# Altium PCB 电源厂控制板.PcbDoc
Units mil, origin at the board's own origin, x right, y up, seen from the top; angles counter-clockwise.
Board outline 3905 x 2570 mil, 2 copper layers (Top Layer, Bottom Layer); 74 components, 83 nets, 324 pads, 305 vias.
Unrouted connection lines stored in the file: 1.
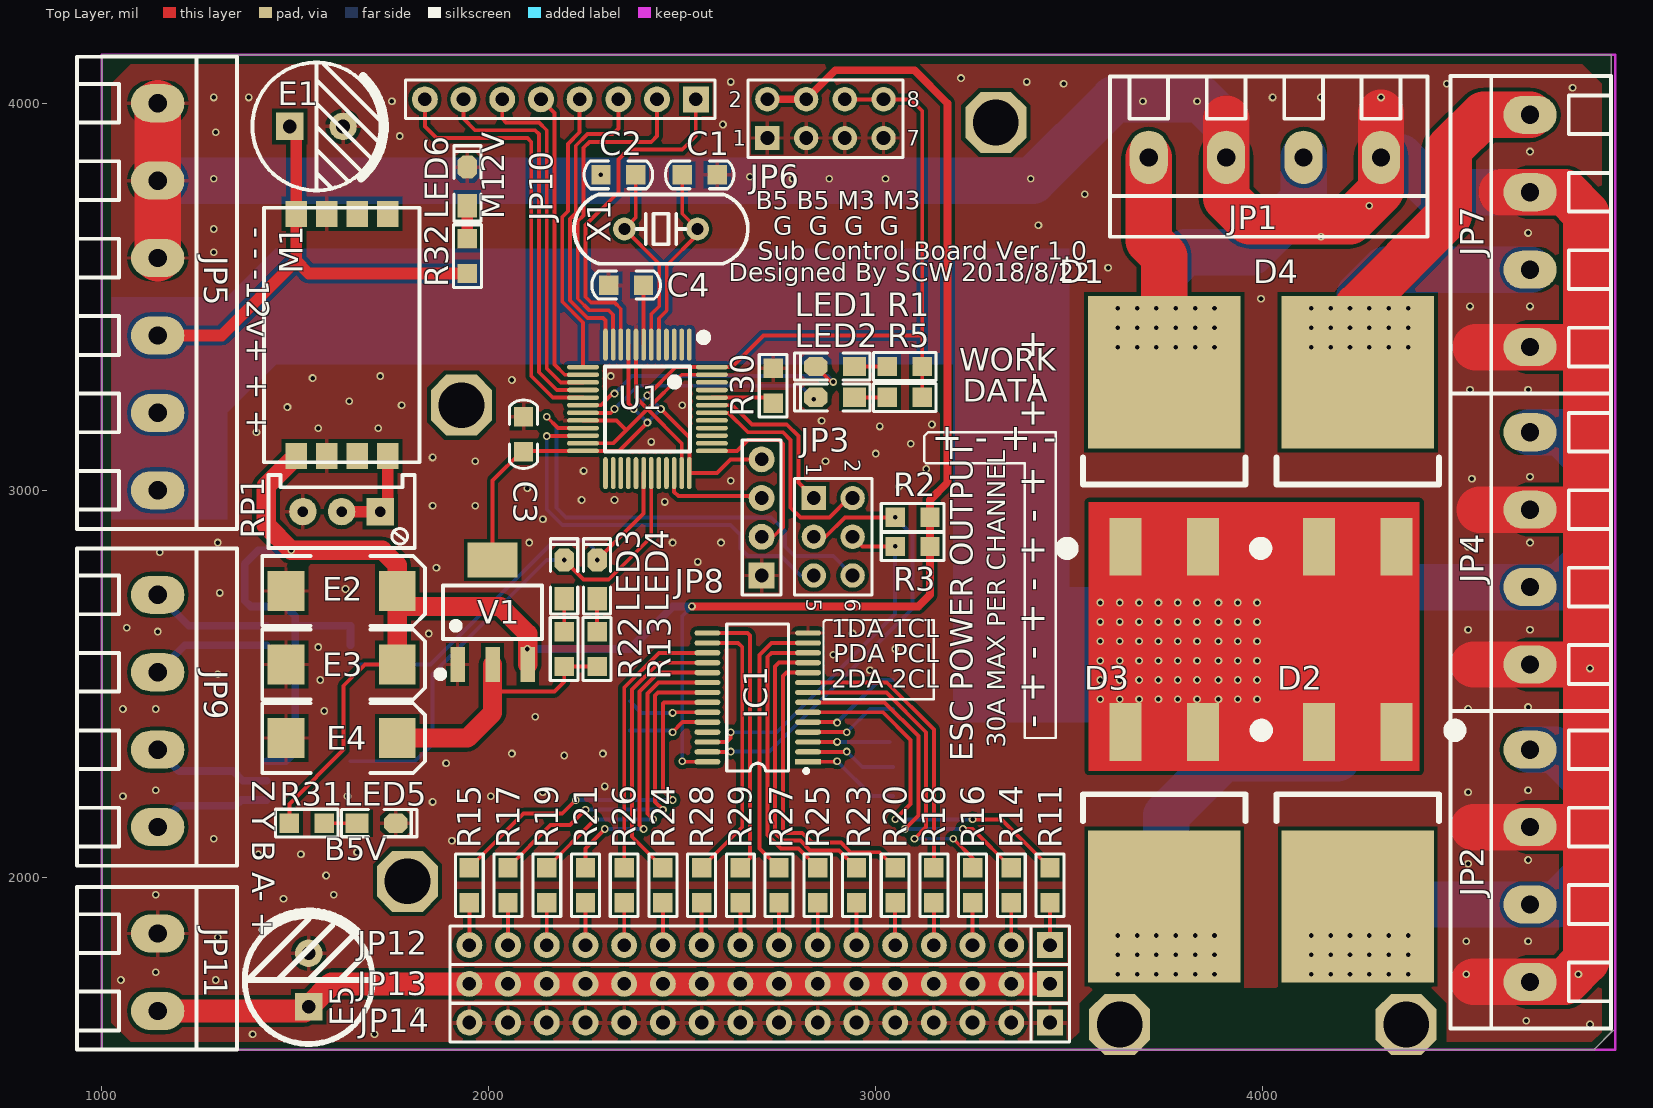
[diagram p0: Top Layer view]
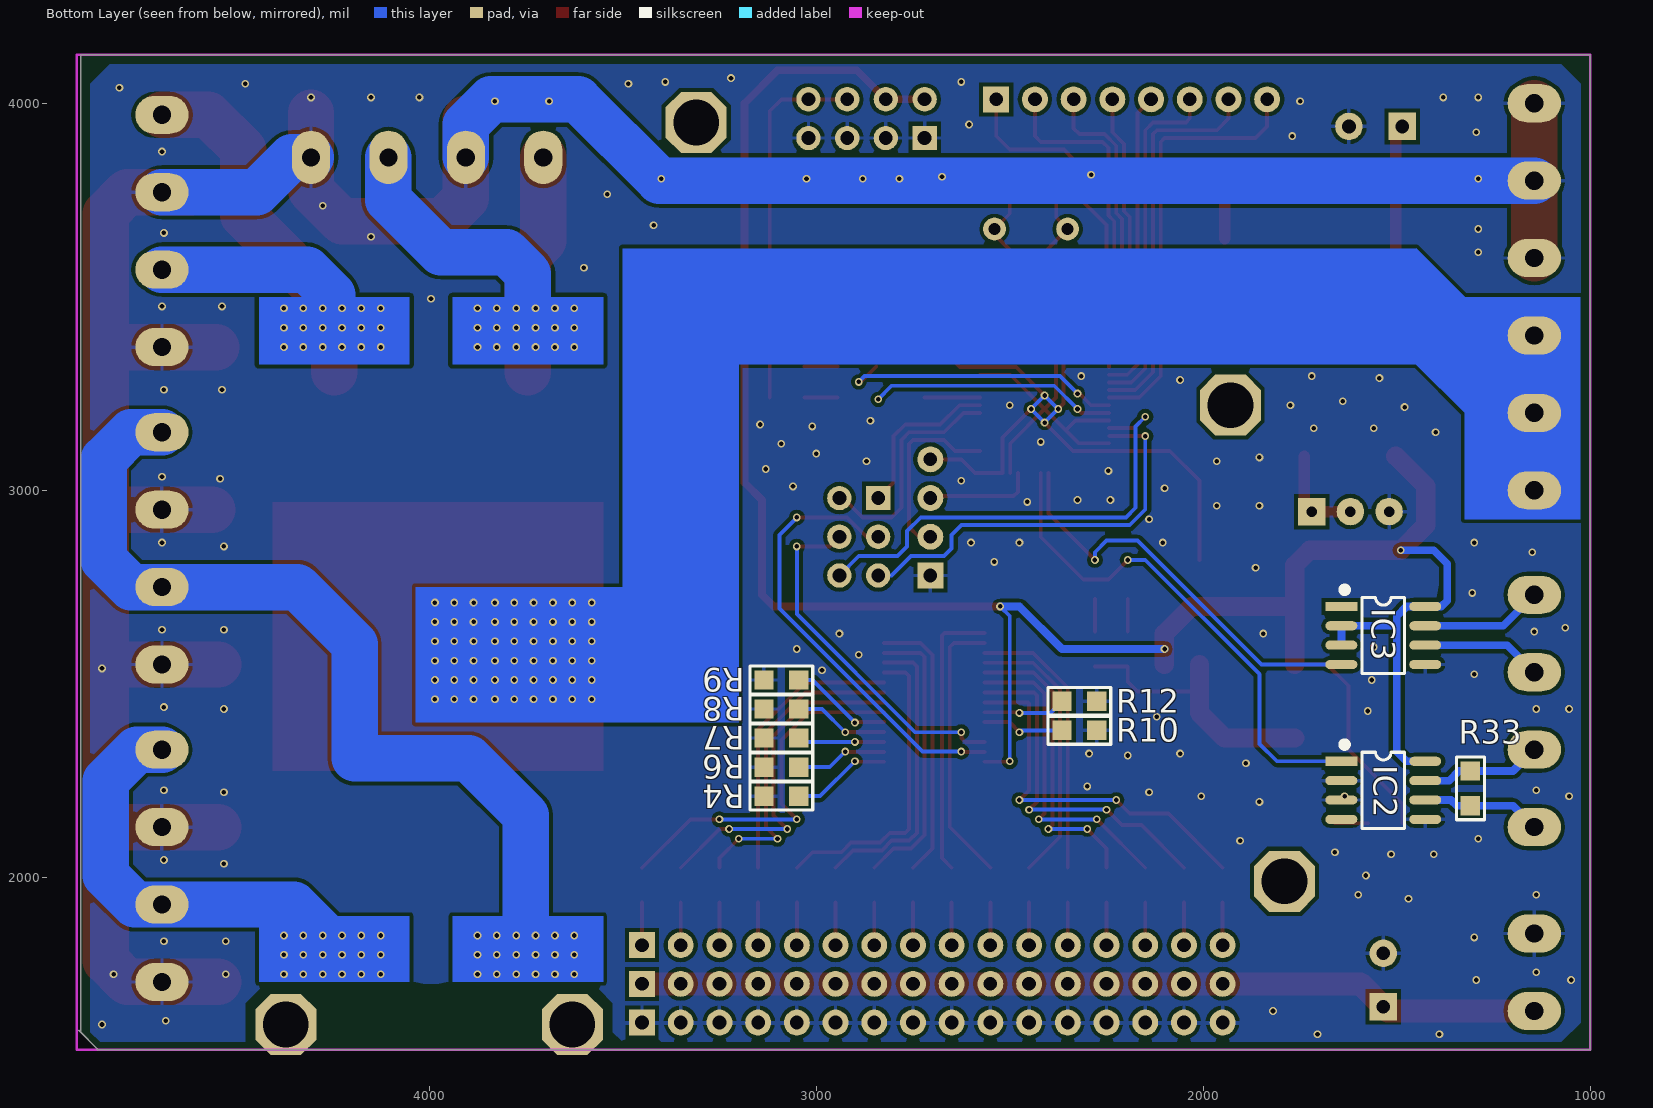
[diagram p1: Bottom Layer view, seen from below]

## Layer stack, top to bottom
Top Layer: signal copper 1.4
Dielectric: dielectric 12.6, FR-4, Dk 4.8
Bottom Layer: signal copper 1.4

## Board outline
1000,4120 1000,1555 1075,1555 4855,1555 4905,1605 4900,1600 4900,1625 4900,4125 1000,4125

## Design rules (kind name [scope] priority, off if disabled: settings)
Clearance [All] p1: gap=6
ComponentClearance [All] p1: gap=0 collisioncheckmode=3 verticalgap=0 showdistances=FALSE
PolygonConnect [All] p1: connectstyle=Relief reliefconductorwidth=10 reliefentries=4 polygonreliefangle="90 Angle"
RoutingVias [All] p1: holewidth=28 width=50 viastyle="Through Hole" minholewidth=28 minwidth=50 maxholewidth=28 maxwidth=50
SilkToSilkClearance [All] p1: silktosilkclearance=0
SilkscreenOverComponentPads [All] p1: minsilkscreentomaskgap=0
SolderMaskExpansion [All] p1: expansion=4
Width [All] p1: maxlimit=1000 minlimit=10 preferedwidth=10
25 further rules are at their usual default settings.

## Components (designator, comment, footprint, x,y, rotation, side; value= is the part's Value field where it differs from the comment)
C1 "22" "C 0805" 2545,3815 r180 top
C2 "22" "C 0805" 2335,3815 r0 top
C3 "104" "C 0805" 2090,3145 r270 top
C4 "104" "C 0805" 2355,3530 r0 top
D1 "VB60100C" TO263-3B 3745,3305 r0 top
D2 "VB60100C" TO263-3B 4245,1925 r180 top
D3 "VB60100C" TO263-3B 3745,1925 r180 top
D4 "VB60100C" TO263-3B 4245,3305 r0 top
E1 "330UF/25V" "CS 3.5*8*8 - C" 1555,3940 r180 top
E2 "107E" "CD D(7343)" 1620,2740 r180 top
E3 "107E" "CD D(7343)" 1620,2550 r180 top
E4 "107E" "CD D(7343)" 1620,2360 r180 top
E5 "10UF/6.3V" "CS 3.5*8*11.5 - C" 1535,1735 r270 top
IC1 "PCA9685" TSSOP28_M 2695,2465 r180 top locked
IC2 "MAX485" SOP8_M 1535,2225 r180 bottom
IC3 "MAX485" SOP8_M 1535,2625 r180 bottom
JP1 "HDR-1X4" KF128-5.08-4P 4305,3860 r180 top
JP2 "HDR-1X4" KF128-5.08-4P 4690,1730 r90 top
JP3 "Header3X2" HDR-3X2 2840,2980 r270 top
JP4 "HDR-1X4" KF128-5.08-4P 4690,2550 r90 top
JP5 "HDR-1X6" KF128-5.08-6P 1145,4000 r270 top
JP6 "Header 4X2" HDR-4X2 2720,3910 r0 top
JP7 "HDR-1X4" KF128-5.08-4P 4690,3370 r90 top
JP8 "HDR-1X4" HDR-1X4 2705,2780 r90 top
JP9 "HDR-1X4" KF128-5.08-4P 1145,2730 r270 top
JP10 "HDR-1X8" HDR-1X8 2535,4010 r180 top
JP11 "HDR-1X2" KF128-5.08-2P 1145,1855 r270 top
JP12 "HDR-1X16" HDR-1X16 3450,1825 r180 top
JP13 "HDR-1X16" HDR-1X16 3450,1725 r180 top
JP14 "HDR-1X16" HDR-1X16 3450,1625 r180 top
LED1 "红色" "LED 0805G" 2895,3320 r180 top
LED2 "红色" "LED 0805G" 2895,3240 r180 top
LED3 "红色" "LED 0805G" 2195,2770 r90 top
LED4 "红色" "LED 0805G" 2280,2770 r90 top
LED5 "红色" "LED 0805G" 1710,2140 r0 top
LED6 "红色" "LED 0805G" 1945,3785 r90 top
M1 "FPDK12SR8006PSV" FPDK12SR8006PSV 1420,3730 r270 top
R1 "1K" "R 0805" 3075,3320 r180 top
R2 "10K" "R 0805" 3095,2930 r0 top
R3 "10K" "R 0805" 3095,2855 r0 top
R4 "10K" "R 0805" 3090,2210 r180 bottom
R5 "1K" "R 0805" 3075,3240 r180 top
R6 "10K" "R 0805" 3090,2285 r180 bottom
R7 "10K" "R 0805" 3090,2360 r180 bottom
R8 "10K" "R 0805" 3090,2435 r180 bottom
R9 "10K" "R 0805" 3090,2510 r180 bottom
R10 "10K" "R 0805" 2320,2380 r180 bottom
R11 "120" "R 0805" 3450,1980 r90 top
R12 "10K" "R 0805" 2320,2455 r180 bottom
R13 "1K" "R 0805" 2195,2590 r90 top
R14 "120" "R 0805" 3350,1980 r90 top
R15 "120" "R 0805" 1950,1980 r270 top
R16 "120" "R 0805" 3250,1980 r90 top
R17 "120" "R 0805" 2050,1980 r270 top
R18 "120" "R 0805" 3150,1980 r90 top
R19 "120" "R 0805" 2150,1980 r270 top
R20 "120" "R 0805" 3050,1980 r90 top
R21 "120" "R 0805" 2250,1980 r270 top
R22 "1K" "R 0805" 2280,2590 r90 top
R23 "120" "R 0805" 2950,1980 r90 top
R24 "120" "R 0805" 2450,1980 r270 top
R25 "120" "R 0805" 2850,1980 r90 top
R26 "120" "R 0805" 2350,1980 r270 top
R27 "120" "R 0805" 2750,1980 r90 top
R28 "120" "R 0805" 2550,1980 r270 top
R29 "120" "R 0805" 2650,1980 r270 top
R30 "1K" "R 0805" 2735,3270 r90 top
R31 "1K" "R 0805" 1530,2140 r0 top
R32 "1K" "R 0805" 1945,3605 r90 top
R33 "100" "R 0805" 1310,2230 r270 bottom
RP1 "10K" 3296W 1620,2945 r180 top
U1 "STM32F103C8T6" "LQFP48 7X7_M" 2410,3210 r180 top
V1 "AMS1117-3V3" SOT223_M 2010,2685 r0 top
X1 "8MHz" "XTAL-49S DIP" 2445,3675 r0 top

## Footprints (in the part's own frame and the unit in brackets; to place one, negate y for a bottom-side part, rotate by r counter-clockwise, add the part's x,y. Pads: shape width x height; smd on the part's side, far side on the other; paste and mask are expansions set on the pad)
3296W [mm] "Precise Multi-Windin"
  rect 1.8x1.8 hole 0.7: 1(-2.54,0)
  round 1.8 hole 0.7: 2(0,0) 3(2.54,0)
  silkscreen extent -4.8,-2.4 4.8,2.4, body extent -4.75,-2.4 4.75,2.4, height 11.52
"C 0805" [mil]
  rect 50x50 smd: 1(-45,0) 2(45,0)
  silkscreen extent -89,-36 89,36, body extent -39,-24 39,24, height 20
"CD D(7343)" [mm] "长"
  rect 2.4x2.6 smd: 1(-3.65,0) 2(3.65,0)
  silkscreen extent -5.46,-2.29 5.21,2.29, body extent -3.65,-2.15 3.65,2.15, height 2.8
"CS 3.5*8*8 - C" [mm] "½Å¾"
  rect 1.8x1.8 hole 0.9: 1(1.75,0)
  round 1.8 hole 0.9: 2(-1.75,0)
  silkscreen extent -4.57,-4.2 4.2,4.2, body extent -4,-4 4,4, height 8.02
"CS 3.5*8*11.5 - C" [mm] "脚距3."
  rect 1.8x1.8 hole 0.9: 1(1.75,0)
  round 1.8 hole 0.9: 2(-1.75,0)
  silkscreen extent -4.5,-4.2 4.2,4.2, body extent -4,-4 4,4, height 11.52
FPDK12SR8006PSV [mm]
  rect 1.7x1.4 smd: 1(0.4,2.1) 2(0.4,4.1) 3(0.4,6.1) 4(0.4,8.1) 5(16.3,8.1) 6(16.3,6.1) 7(16.3,4.1) 8(16.3,2.1)
  silkscreen extent 0,0 16.7,10.2
HDR-1X4 [mm]
  rect 1.7x1.7 hole 0.9: 1(0,0)
  round 1.7 hole 0.9: 2(2.54,0) 3(5.08,0) 4(7.62,0)
  silkscreen extent -1.27,-1.27 8.89,1.27, body extent -1.27,-1.27 8.89,1.27, height 8.5
HDR-1X8 [mm]
  rect 1.7x1.7 hole 0.9: 1(0,0)
  round 1.7 hole 0.9: 2(2.54,0) 3(5.08,0) 4(7.62,0) 5(10.16,0) 6(12.7,0) 7(15.24,0) 8(17.78,0)
  silkscreen extent -1.27,-1.27 19.05,1.27, body extent -1.27,-1.27 19.05,1.27, height 8.5
HDR-1X16 [mm]
  rect 1.7x1.7 hole 0.9: 1(0,0)
  round 1.7 hole 0.9: 2(2.54,0) 3(5.08,0) 4(7.62,0) 5(10.16,0) 6(12.7,0) 7(15.24,0) 8(17.78,0) 9(20.32,0) 10(22.86,0) 11(25.4,0) 12(27.94,0) 13(30.48,0) 14(33.02,0) 15(35.56,0) 16(38.1,0)
  silkscreen extent -1.27,-1.27 39.37,1.27, body extent -1.27,-1.27 39.37,1.27, height 8.5
HDR-3X2 [mm]
  rect 1.6x1.6 hole 0.9: 1(0,0)
  round 1.6 hole 0.9: 2(0,2.54) 3(2.54,0) 4(2.54,2.54) 5(5.08,0) 6(5.08,2.54)
  silkscreen extent -1.27,-1.27 6.35,3.81, body extent -1.27,-1.27 6.35,3.81, height 8.5
HDR-4X2 [mm]
  rect 1.6x1.6 hole 0.9: 1(0,0)
  round 1.6 hole 0.9: 2(0,2.54) 3(2.54,0) 4(2.54,2.54) 5(5.08,0) 6(5.08,2.54) 7(7.62,0) 8(7.62,2.54)
  silkscreen extent -1.27,-1.27 8.89,3.81, body extent -1.27,-1.27 8.89,3.81, height 8.5
KF128-5.08-2P [mm] "Â"
  oval 2.5x3.5 hole 1.2: 1(0,0) 2(5.08,0)
  silkscreen extent -3.05,-5.31 7.62,5.21, body extent -3.04,-5.3 7.62,5.2, height 14.15
KF128-5.08-4P [mm] "Â"
  oval 2.5x3.5 hole 1.2: 1(0,0) 2(5.08,0) 3(10.16,0) 4(15.24,0)
  silkscreen extent -3.05,-5.31 17.78,5.21, body extent -3.04,-5.3 17.78,5.2, height 14.15
KF128-5.08-6P [mm] "Â"
  oval 2.5x3.5 hole 1.2: 1(0,0) 2(5.08,0) 3(10.16,0) 4(15.24,0) 5(20.32,0) 6(25.4,0)
  silkscreen extent -3.05,-5.31 27.94,5.21, body extent -3.04,-5.3 27.94,5.2, height 14.15
"LED 0805G" [mil] "绿"
  rect 60x50 smd: 1(-50,0)
  oct 60x50 smd: 2(50,0)
  silkscreen extent -90,-35 105,35, body extent -39,-25 39,25, height 32
"LQFP48 7X7_M" [mm] "48½Å£¬Ìå¿"
  oval 0.3x2.1 smd: 1(-2.75,-4.227) 2(-2.25,-4.227) 3(-1.75,-4.227) 4(-1.25,-4.227) 5(-0.75,-4.227) 6(-0.25,-4.227) 7(0.25,-4.227) 8(0.75,-4.227) 9(1.25,-4.227) 10(1.75,-4.227) 11(2.25,-4.227) 12(2.75,-4.227) 25(2.75,4.202) 26(2.25,4.202) 27(1.75,4.202) 28(1.25,4.202) 29(0.75,4.202) 30(0.25,4.202) 31(-0.25,4.202) 32(-0.75,4.202) 33(-1.25,4.202) 34(-1.75,4.202) 35(-2.25,4.202) 36(-2.75,4.202)
  oval 2.1x0.3 smd: 13(4.227,-2.75) 14(4.227,-2.25) 15(4.227,-1.75) 16(4.227,-1.25) 17(4.227,-0.75) 18(4.227,-0.25) 19(4.227,0.25) 20(4.227,0.75) 21(4.227,1.25) 22(4.227,1.75) 23(4.227,2.25) 24(4.227,2.75) 37(-4.227,2.75) 38(-4.227,2.25) 39(-4.227,1.75) 40(-4.227,1.25) 41(-4.227,0.75) 42(-4.227,0.25) 43(-4.227,-0.25) 44(-4.227,-0.75) 45(-4.227,-1.25) 46(-4.227,-1.75) 47(-4.227,-2.25) 48(-4.227,-2.75)
  silkscreen extent -3.93,-4.95 2.79,2.79, body extent -4.5,-4.5 4.5,4.5, height 1.45
"R 0805" [mil]
  rect 50x50 smd: 1(-45,0) 2(45,0)
  silkscreen extent -81,-36 81,36, body extent -39,-25 39,25, height 20
SOP8_M [mm] "5*6*1"
  rect 2.1x0.6 smd: 1(-2.75,1.905)
  oval 2.1x0.6 smd: 2(-2.75,0.635) 3(-2.75,-0.635) 4(-2.75,-1.905) 5(2.75,-1.905) 6(2.75,-0.635) 7(2.75,0.635) 8(2.75,1.905)
  silkscreen extent -2.69,-2.5 1.4,3.15, body extent -3,-2.5 3,2.5, height 1.9
SOT223_M [mm] "6.4"
  rect 0.95x2.3 smd: 1(-2.3,-3.429) 2(0,-3.429) 3(2.3,-3.429)
  rect 3.3x2.3 smd: 2(0,3.429)
  silkscreen extent -3.63,-4.26 3.25,1.75, body extent -3.25,-3.51 3.25,3.51, height 1.65
TO263-3B [mm]
  rect 2.1x3.8 smd: 1(-2.54,-11.45) 3(2.54,-11.45)
  rect 10x10 smd: 2(0,0)
  silkscreen extent -6.75,-11.94 5.33,-5.59, body extent -5,-11.46 5,3.47, height 4.5
TSSOP28_M [mm] "9.8*6.4*1mm"
  rect 1.7x0.35 smd: 1(-3.3,4.225)
  oval 1.7x0.35 smd: 2(-3.3,3.575) 3(-3.3,2.925) 4(-3.3,2.275) 5(-3.3,1.625) 6(-3.3,0.975) 7(-3.3,0.325) 8(-3.3,-0.325) 9(-3.3,-0.975) 10(-3.3,-1.625) 11(-3.3,-2.275) 12(-3.3,-2.925) 13(-3.3,-3.575) 14(-3.3,-4.225) 15(3.3,-4.225) 16(3.3,-3.575) 17(3.3,-2.925) 18(3.3,-2.275) 19(3.3,-1.625) 20(3.3,-0.975) 21(3.3,-0.325) 22(3.3,0.325) 23(3.3,0.975) 24(3.3,1.625) 25(3.3,2.275) 26(3.3,2.925) 27(3.3,3.575) 28(3.3,4.225)
  silkscreen extent -3.3,-4.83 2.03,4.96, body extent -3.2,-4.9 3.2,4.9, height 1.03
"XTAL-49S DIP" [mm]
  round 1.5 hole 0.8: 1(-2.4,0) 2(2.4,0)
  silkscreen extent -5.7,-2.28 5.7,2.28, body extent -5.68,-2.35 5.68,2.3, height 3.5

## Part data
C1 C2 C3 C4: library part C, "无极性贴片电容"
D1 D2 D3 D4: "60A 100V 肖特基势垒二极管"
E1 E5: library part C-CS, "直插固态电容"
E2 E3 E4: library part C-CD, "贴片钽电容"
IC2 IC3: "485通信芯片"
JP1 JP2 JP4 JP7 JP8 JP9: library part "Header 4", "4P接插件"
JP3: library part "Header 3X2", "3*2P接插件"
JP5: library part "Header 6", "6P接插件"
JP6: "4*2P接插件"
JP10: library part "Header 8", "8P接插件"
JP11: library part "Header 2", "2P接插件"
JP12 JP13 JP14: library part "Header 16", "16P接插件"
LED1 LED2 LED3 LED4 LED5 LED6: library part LED-SMD, "贴片LED"
M1: "DC-DC POWER CONVERTOR 12V-"
R1 R2 R3 R4 R5 R6 R7 R8 R9 R10 R11 R12 R13 R14 R15 R16 R17 R18 R19 R20 R21 R22 R23 R24 R25 R26 R27 R28 R29 R30 R31 R32 R33: library part R, "贴片电阻"
RP1: library part RP-ID, "插件单联电位器"
U1: "Flaah:64/RAM:20/IO:36"
V1: library part AMS1117, "三端稳压芯片"
X1: library part XTAL-2

## Free pads (board coordinates)
  oct 157.48x157.48 hole 118.11: 9(3310,3950) 10(3630,1620) 11(4370,1620) 12(1790,1990) 13(1930,3220)

## Via types
v1: diameter 20, hole 11.81, Top Layer to Bottom Layer, 305 vias

## Nets (pads, with @x,y where several pads share a name; then routed paths per layer and width w, separated by ;. In a path a pad name is that pad's centre, name@x,y a point inside that pad or via, vN(x,y) a via of type N, cw(c..) or ccw(c..) an arc to the next point about the centre after c; other vN are vias at no path point)
485_A: IC2.6 JP9.4 R33.2 | length 310.7
  Bottom Layer w20: JP9.4 1200,2185 R33.2 1345,2185 1360,2200 IC2.6
485_B: IC2.7 JP9.3 R33.1 | length 314.9
  Bottom Layer w20: JP9.3 1200,2275 R33.1 1340,2275 1365,2250 IC2.7
485_Y: IC3.6 JP9.2 | length 310.7
  Bottom Layer w20: JP9.2 1215,2600 IC3.6
485_Z: IC3.7 JP9.1 | length 314.9
  Bottom Layer w20: JP9.1 1225,2650 IC3.7
AFTER_D1: D1.2 JP1.2 JP1.4 | length 1270.3
  Top Layer w120: JP1.4 3705,3645 3745,3605 3745,3420 D1.2
  Bottom Layer w120: 3745,3410 3745,3560 3800,3615 3970,3615 4105,3750 JP1.2
  other v1: 3625,3370 3675,3370 3725,3370 3775,3370 3825,3370 3875,3370 3625,3420 3675,3420 3725,3420 3775,3420 3825,3420 3875,3420 3625,3470 3675,3470 3725,3470 3775,3470 3825,3470 3875,3470
AFTER_D2: D2.2 JP2.2 JP2.4 | length 1101.8
  Bottom Layer w120: 4235,1815 4350,1930 JP2.2 4760,1930 4835,2005 4835,2250 4755,2330 JP2.4
  other v1: 4125,1750 4175,1750 4225,1750 4275,1750 4325,1750 4375,1750 4125,1800 4175,1800 4225,1800 4275,1800 4325,1800 4375,1800 4125,1850 4175,1850 4225,1850 4275,1850 4325,1850 4375,1850
AFTER_D3: D3.2 JP4.2 JP4.4 | length 2330.2
  Bottom Layer w120: 3750,1805 3750,2160 3897.5,2307.5 4192.5,2307.5 4192.5,2602.5 4340,2750 JP4.2 4770,2750 4840,2820 4840,3080 4770,3150 JP4.4
  other v1: 3625,1750 3675,1750 3725,1750 3775,1750 3825,1750 3875,1750 3625,1800 3675,1800 3725,1800 3775,1800 3825,1800 3875,1800 3625,1850 3675,1850 3725,1850 3775,1850 3825,1850 3875,1850
AFTER_D4: D4.2 JP7.2 JP7.4 | length 1481.5
  Top Layer w120: D4.2 4245,3420 4245,3475 4480,3710 4480,3880 4570,3970 JP7.4
  Bottom Layer w120: 4250,3410 4250,3505 4315,3570 JP7.2
  other v1: 4125,3370 4175,3370 4225,3370 4275,3370 4325,3370 4375,3370 4125,3420 4175,3420 4225,3420 4275,3420 4325,3420 4375,3420 4125,3470 4175,3470 4225,3470 4275,3470 4325,3470 4375,3470
BOARD_5V: E2.1 E3.1 IC1.28 IC2.8 IC3.2 IC3.3 IC3.8 JP6.2 JP6.4 M1.8 R2.2 R3.2 R31.1 V1.3 | length 6250.2
  Top Layer w10: R31.1 1485,2190 1625,2330 1625,2495 1680,2550 E3.1 ; v1(2500,2300) 2501.34,2298.66 IC1.28
  Top Layer w20: v1(2525,2700) 3110,2700 3140,2730 R3.2 R2.2 3140,2975 3185,3020 3185,4000 3100,4085 2895,4085 JP6.4 JP6.2
  Top Layer w50: M1.8 1425,3010.59 1425,2910 v1(1490,2845) 1725,2845 1763.7,2806.3 E2.1 E3.1 ; E2.1@1778.7,2700 2030,2700 2100.55,2629.45 V1.3
  Bottom Layer w10: v1(2500,2300) 2500,2675 v1(2525,2700)
  Bottom Layer w20: IC2.8 1475,2300 1500,2325 1500,2650 ; v1(1490,2845) 1405,2845 1370,2810 1370,2715 1385,2700 IC3.8 1475,2700 1500,2675 1500,2650 ; IC3.3 IC3.2 1500,2650 ; v1(2100,2590) 2365,2590 2475,2700 v1(2525,2700)
CUS_VCC: E5.1 JP11.2 JP13.1 JP13.2 JP13.3 JP13.4 JP13.5 JP13.6 JP13.7 JP13.8 JP13.9 JP13.10 JP13.11 JP13.12 JP13.13 JP13.14 JP13.15 JP13.16 | length 2334
  Top Layer w60: JP11.2 1523.9,1655 E5.1 1593.9,1725 JP13.16 JP13.15 JP13.14 JP13.13 JP13.12 JP13.11 JP13.10 JP13.9 JP13.8 JP13.7 JP13.6 JP13.5 JP13.4 JP13.3 JP13.2 JP13.1
DAT_LED: LED2.2 U1.19 | length 639.8
  Top Layer w10: U1.19 2315.16,3200.16 v1(2325,3210)
  Bottom Layer w10: v1(2325,3210) 2385,3270 2805,3270 v1(2840,3235)
GND: C1.1 C2.1 C3.1 C4.1 E1.2 E2.2 E3.2 E4.2 E5.2 IC1.14 IC2.2 IC2.3 IC2.5 IC3.5 JP1.1 JP1.3 JP2.1 JP2.3 JP4.1 JP4.3 JP5.1 JP5.2 JP5.3 JP6.1 JP6.3 JP6.5 JP6.7 JP7.1 JP7.3 JP8.1 JP11.1 JP14.1 JP14.2 JP14.3 JP14.4 JP14.5 JP14.6 JP14.7 JP14.8 JP14.9 JP14.10 JP14.11 JP14.12 JP14.13 JP14.14 JP14.15 JP14.16 LED5.2 LED6.2 M1.2 M1.7 R4.1 R6.1 R7.1 R8.1 R9.1 R10.2 R12.2 R30.2 RP1.3 U1.8 U1.20 U1.23 U1.35 U1.47 V1.1 | length 9177
  Top Layer w10: U1.23 2321.42,3121.42 2410,3210 ; U1.20 2330.47,3180.47 2355,3155.94 ; U1.8 2380.47,3239.53 2410,3210 ; U1.35 2498.58,3121.42 2410,3210 ; U1.47 2498.58,3298.58 2410,3210
  Top Layer w120: JP5.3 JP5.2 JP5.1 ; 3905,3960 JP1.3 3905,3755 3965,3695 4225,3695 4305,3775 JP1.1 4305,3975 ; 4545,1730 JP2.1 4780,1730 4835,1785 4835,2130 ; 4545,2130 JP2.3 4835,2130 ; 4545,2550 JP4.1 4835,2550 ; 4550,3370 JP7.1 4835,3370 ; 4560,2950 JP4.3 4835,2950 ; 4616.31,3770 JP7.3 4780,3770 4835,3715 4835,3370 ; 4835,2130 4835,2550 ; 4835,2550 4835,2950 ; 4835,2950 4835,3370
  Bottom Layer w120: JP5.2 2675,3800 2785,3800 3245,3800 3405,3800 3615,4010 3840,4010 3905,3945 JP1.3 ; JP1.1 4355,3860 4445,3770 JP7.3
  other v1: 1390,1595 1705,1595 4845,1620 4680,1630 1820,1655 1050,1735 1295,1735 4525,1750 4815,1750 1140,1755 4525,1835 4685,1835 1300,1845 1470,1945 1140,1955 1600,1955 1580,2005 4530,2035 4685,2045 1405,2060 1515,2060 1660,2065 1905,2095 1290,2100 1855,2195 1055,2210 1635,2210 2005,2210 2140,2220 4530,2220 1140,2225 4685,2225 2300,2235 1890,2295 2195,2315 2060,2320 2295,2320 2120,2415 1575,2430 1055,2435 1140,2435 4530,2435 4685,2440 1565,2510 1300,2525 2985,2535 4845,2540 2890,2575 3050,2590 1560,2595 1845,2630 2940,2630 1145,2635 4530,2640 4690,2640 1065,2645 1305,2735 1630,2745 1865,2800 2540,2815 1150,2840 4530,2855 1300,2865 2105,2865 2475,2865 2600,2865 4690,2865 2140,2925 1855,2960 1965,2960 2455,2970 2240,2975 2325,2975 2100,3005 3060,3010 2625,3025 4540,3030 4690,3035 2245,3050 3130,3055 1965,3075 2870,3075 1855,3085 3000,3095 3090,3120 2420,3125 1400,3150 1560,3160 1715,3160 3010,3165 3145,3170 2860,3180 1480,3215 1775,3220 2500,3220 1640,3230 4535,3260 4685,3260 2060,3285 1545,3290 1720,3295 2315,3295 4535,3475 4690,3475 3995,3495 3600,3575 1290,3615 4150,3655 4685,3665 1290,3675 3420,3685 4275,3735 3540,3765 1290,3805 2785,3805 2880,3805 3025,3805 3400,3805 2675,3810 2290,3815 4690,3875 1770,3915 1295,3925 2605,3945 1750,4005 3690,4005 3830,4005 1290,4015 1380,4015 4025,4015 4150,4015 4305,4015 4800,4040 3485,4050 4475,4050 2625,4055 3390,4055 3220,4065
GPIO0: JP10.1 U1.10 | length 906.5
  Top Layer w10: U1.10 2341.1,3468.9 2325,3485 2265,3485 2250,3500 2250,3685 2335,3770 2335,3855 2360,3880 2500,3880 2535,3915 JP10.1
GPIO1: JP10.2 U1.11 | length 879.4
  Top Layer w10: U1.11 2321.42,3453.58 2310,3465 2260,3465 2230,3495 2230,3695 2245,3710 2245,3885 2260,3900 2420,3900 2435,3915 JP10.2
GPIO2: JP10.3 U1.12 | length 784.9
  Top Layer w10: U1.12 2301.73,3438.27 2295,3445 2255,3445 2210,3490 2210,3701 2225,3716 2225,3890 2255,3920 2320,3920 2335,3935 JP10.3
GPIO3: JP10.4 U1.13 | length 732.6
  Top Layer w10: JP10.4 2235,3925 2205,3895 2205,3721 2190,3706 2190,3487.37 2243.58,3433.79 U1.13
GPIO4: JP10.5 U1.14 | length 784
  Top Layer w10: JP10.5 2170,3975 2170,3325 2196.42,3298.58 U1.14
GPIO5: JP10.6 U1.15 | length 901
  Top Layer w10: JP10.6 2035,3960 2045,3950 2130,3950 2150,3930 2150,3315 2186.1,3278.9 U1.15
GPIO6: JP10.7 U1.16 | length 1009.1
  Top Layer w10: JP10.7 1935,3960 1965,3930 2120,3930 2130,3920 2130,3305 2175.79,3259.21 U1.16
GPIO7: JP10.8 U1.17 | length 1123.1
  Top Layer w10: JP10.8 1835,3940 1865,3910 2100,3910 2110,3900 2110,3295 2165.47,3239.53 U1.17
I2C1_SCL: JP3.2 U1.42 | length 598.7
  Top Layer w10: U1.42 2619.84,3200.16 2670,3150 2760,3150 2780,3130 2780,2955 2805,2930 2880,2930 2930,2980 JP3.2
I2C1_SDA: JP3.1 U1.43 | length 433.2
  Top Layer w10: U1.43 2630.16,3219.84 2680,3170 2770,3170 2800,3140 2800,3020 JP3.1
I2C2_SCL: JP3.6 U1.21 | length 1212
  Top Layer w10: v1(2150,3190) 2179.21,3160.79 U1.21
  Bottom Layer w10: v1(2150,3190) 2175,3165 2175,2955 2200,2930 2730,2930 2765,2895 2765,2855 2790,2830 2890,2830 JP3.6
I2C2_SDA: JP3.5 U1.22 | length 1063.4
  Top Layer w10: v1(2150,3140) U1.22@2242.48,3140
  Bottom Layer w10: v1(2150,3140) 2150,2950 2190,2910 2625,2910 2650,2885 2650,2850 2670,2830 2755,2830 2805,2780 JP3.5
MAIN_12V: D1.1 D1.3 D2.1 D2.3 D3.1 D3.3 D4.1 D4.3 E1.1 JP5.4 JP5.5 JP5.6 M1.1 R32.1 | length 1224.1
  Top Layer w30: JP5.4 1310,3400 1502.68,3592.68 ; E1.1@1502.68,3923.43 M1.1 1502.68,3592.68 ; R32.1 1535.35,3560 1502.68,3592.68
  other v1: 3580,2460 3630,2460 3680,2460 3730,2460 3780,2460 3830,2460 3885,2460 3935,2460 3985,2460 3580,2510 3630,2510 3680,2510 3730,2510 3780,2510 3830,2510 3885,2510 3935,2510 3985,2510 3580,2560 3630,2560 3680,2560 3730,2560 3780,2560 3830,2560 3885,2560 3935,2560 3985,2560 3580,2610 3630,2610 3680,2610 3730,2610 3780,2610 3830,2610 3885,2610 3935,2610 3985,2610 3580,2660 3630,2660 3680,2660 3730,2660 3780,2660 3830,2660 3885,2660 3935,2660 3985,2660 3580,2710 3630,2710 3680,2710 3730,2710 3780,2710 3830,2710 3885,2710 3935,2710 3985,2710
MCU_3V: C3.2 E4.1 JP6.6 JP6.8 JP8.4 R1.1 R5.1 R13.1 R22.1 U1.9 U1.24 U1.36 U1.48 V1.2 | length 3879.8
  Top Layer w10: 2010,2480 2170,2480 2195,2505 R13.1 R22.1 ; V1.2@2010,2820 2010,3025 2086.73,3101.73 U1.24 2336.73,3101.73 v1(2410,3175) ; U1.9 2360.79,3224.21 v1(2375,3210) ; v1(2410,3245) 2483.27,3318.27 U1.48 2628.27,3318.27 2710,3400 3120,3400 ; v1(2445,3210) 2518.27,3136.73 U1.36 2589.58,3044.58 2625,3080 JP8.4 ; JP6.6 JP6.8 3090,4010 3120,3980 3120,3400 ; R5.1 R1.1 3120,3400
  Top Layer w50: E4.1 1945,2360 2010,2425 2010,2480 V1.2@2010,2550
  Bottom Layer w10: v1(2375,3210) v1(2410,3175) v1(2445,3210) v1(2410,3245) v1(2375,3210)
NetC1_2: C1.2 U1.5 X1.2 | length 496.3
  Top Layer w10: U1.5 2439.53,3444.53 2460,3465 2460,3581.51 2539.49,3661 X1.2 2500,3714.49 C1.2
NetC2_2: C2.2 U1.6 X1.1 | length 496.6
  Top Layer w10: C2.2 2380,3704.49 X1.1 2440.51,3585 2440.51,3475.51 2420,3455 2420,3376.57 U1.6
NetC4_2: C4.2 U1.7 | length 153.4
  Top Layer w10: U1.7@2400,3376.57 C4.2
NetIC1_1: IC1.1 R4.2 | length 256
  Top Layer w10: IC1.1 v1@2898.66,2298.66
  Bottom Layer w10: v1(2900,2300) 2990,2210 R4.2
NetIC1_2: IC1.2 R6.2 | length 235.9
  Top Layer w10: IC1.2 v1@2924.25,2324.25
  Bottom Layer w10: v1(2925,2325) 2965,2285 R6.2
NetIC1_3: IC1.3 R7.2 | length 209.9
  Top Layer w10: IC1.3 v1@2899.84,2349.84
  Bottom Layer w10: v1(2900,2350) R7.2@3035,2350
NetIC1_4: IC1.4 R8.2 | length 244.5
  Top Layer w10: IC1.4 v1@2924.57,2375.43
  Bottom Layer w10: v1(2925,2375) 2985,2435 R8.2
NetIC1_5: IC1.5 R9.2 | length 264.6
  Top Layer w10: IC1.5 v1@2898.98,2401.02
  Bottom Layer w10: v1(2900,2400) 3010,2510 R9.2
NetIC1_6: IC1.6 R11.2 | length 968.1
  Top Layer w10: IC1.6 3018.39,2426.61 3090,2355 3090,2190 v1(3050,2150) ; v1(3250,2150) 3325,2150 R11.2
  Bottom Layer w10: v1(3050,2150) v1(3250,2150)
NetIC1_7: IC1.7 R14.2 | length 892.1
  Top Layer w10: IC1.7 3022.8,2452.2 3110,2365 3110,2160 v1(3075,2125) ; v1(3225,2125) 3250,2125 R14.2
  Bottom Layer w10: v1(3075,2125) v1(3225,2125)
NetIC1_8: IC1.8 R16.2 | length 830.8
  Top Layer w10: IC1.8 3027.2,2477.8 3130,2375 3130,2130 v1(3100,2100) ; v1(3200,2100) 3250,2050 R16.2
  Bottom Layer w10: v1(3100,2100) v1(3200,2100)
NetIC1_9: IC1.9 R18.2 | length 732.2
  Top Layer w10: IC1.9 3028.39,2503.39 3150,2381.77 R18.2
NetIC1_10: IC1.10 R20.2 | length 795.1
  Top Layer w10: IC1.10 2768.98,2528.98 2760,2520 2760,2125 2770,2115 2810,2115 2835,2090 2910,2090 2935,2065 3010,2065 R20.2
NetIC1_11: IC1.11 R23.2 | length 766.5
  Top Layer w10: IC1.11 2824.49,2555 2750,2555 2740,2545 2740,2115 2760,2095 2805,2095 2830,2070 2905,2070 R23.2
NetIC1_12: IC1.12 R25.2 | length 734.3
  Top Layer w10: IC1.12 2730.16,2580.16 2720,2570 2720,2110 2755,2075 2800,2075 R25.2
NetIC1_13: IC1.13 R27.2 | length 708.4
  Top Layer w10: R27.2 2700,2075 2700,2575 2730.75,2605.75 IC1.13
NetIC1_15: IC1.15 R29.1 | length 722.9
  Top Layer w10: IC1.15 2668.66,2631.34 2675,2625 2675,2050 R29.1
NetIC1_16: IC1.16 R28.1 | length 707.9
  Top Layer w10: R28.1 2655,2130 2655,2595 2644.25,2605.75 IC1.16
NetIC1_17: IC1.17 R26.1 | length 717.4
  Top Layer w10: R26.1 2350,2490 2440.16,2580.16 IC1.17
NetIC1_18: IC1.18 R24.1 | length 717
  Top Layer w10: R24.1 2370,2105 2370,2485 2439.57,2554.57 IC1.18
NetIC1_19: IC1.19 R21.1 | length 775.2
  Top Layer w10: R21.1 2250,2075 v1(2300,2125) ; v1(2400,2125) 2390,2135 2390,2480 2438.98,2528.98 IC1.19
  Bottom Layer w10: v1(2300,2125) v1(2400,2125)
NetIC1_20: IC1.20 R19.1 | length 824.8
  Top Layer w10: R19.1 v1(2275,2150) ; v1(2425,2150) 2410,2165 2410,2475 2438.39,2503.39 IC1.20
  Bottom Layer w10: v1(2275,2150) v1(2425,2150)
NetIC1_21: IC1.21 R17.1 | length 903.7
  Top Layer w10: R17.1 2160,2135 2210,2135 v1(2250,2175) ; v1(2450,2175) 2430,2195 2430,2470 2437.8,2477.8 IC1.21
  Bottom Layer w10: v1(2250,2175) v1(2450,2175)
NetIC1_22: IC1.22 R15.1 | length 973.8
  Top Layer w10: R15.1 2090,2165 2190,2165 v1(2225,2200) ; v1(2475,2200) 2450,2225 2450,2450 2452.2,2452.2 IC1.22
  Bottom Layer w10: v1(2225,2200) v1(2475,2200)
NetIC1_23: IC1.23 R12.1 | length 210.9
  Top Layer w10: v1@2476.61,2426.61 IC1.23
  Bottom Layer w10: R12.1 2395,2425 v1(2475,2425)
NetIC1_24: IC1.24 R10.1 | length 205.9
  Top Layer w10: v1(2475,2375) 2501.02,2401.02 IC1.24
  Bottom Layer w10: R10.1 v1@2470,2380
NetLED1_1: LED1.1 R1.2 | length 85
  Top Layer w10: LED1.1 R1.2
NetLED2_1: LED2.1 R5.2 | length 85
  Top Layer w10: LED2.1 R5.2
NetLED3_1: LED3.1 R13.2 | length 85
  Top Layer w10: R13.2 LED3.1
NetLED4_1: LED4.1 R22.2 | length 85
  Top Layer w10: R22.2 LED4.1
NetLED5_1: LED5.1 R31.2 | length 85
  Top Layer w10: R31.2 LED5.1
NetLED6_1: LED6.1 R32.2 | length 85
  Top Layer w30: R32.2 LED6.1
NetM1_5: M1.5 RP1.1 RP1.2 | length 251.1
  Top Layer w30: RP1.2 RP1.1 1738.9,2963.9 M1.5
NetR30_1: R30.1 U1.44 | length 144.1
  Top Layer w10: U1.44 R30.1@2720.47,3239.53
PCA_SCL: IC1.26 JP3.4 R3.1 | length 925.8
  Top Layer w10: IC1.26 2614.84,2349.84 2625,2360 v1(2625,2375) ; JP3.4 2965,2855 v1(3050,2855)
  Bottom Layer w10: v1(2625,2375) 2745,2375 3050,2680 v1(3050,2855)
PCA_SDA: IC1.27 JP3.3 R2.1 | length 1166.8
  Top Layer w10: IC1.27 v1@2624.25,2324.25 ; JP3.3 2870,2880 2920,2930 v1(3050,2930)
  Bottom Layer w10: v1(2625,2325) 2725,2325 3095,2695 3095,2885 v1(3050,2930)
PWM0: JP12.1 R11.1 | length 110
  Top Layer w10: JP12.1 R11.1
PWM1: JP12.2 R14.1 | length 110
  Top Layer w10: JP12.2 R14.1
PWM2: JP12.3 R16.1 | length 110
  Top Layer w10: JP12.3 R16.1
PWM3: JP12.4 R18.1 | length 110
  Top Layer w10: JP12.4 R18.1
PWM4: JP12.5 R20.1 | length 110
  Top Layer w10: JP12.5 R20.1
PWM5: JP12.6 R23.1 | length 110
  Top Layer w10: JP12.6 R23.1
PWM6: JP12.7 R25.1 | length 110
  Top Layer w10: JP12.7 R25.1
PWM7: JP12.8 R27.1 | length 110
  Top Layer w10: JP12.8 R27.1
PWM8: JP12.9 R29.2 | length 110
  Top Layer w10: JP12.9 R29.2
PWM9: JP12.10 R28.2 | length 110
  Top Layer w10: JP12.10 R28.2
PWM10: JP12.11 R24.2 | length 110
  Top Layer w10: JP12.11 R24.2
PWM11: JP12.12 R26.2 | length 110
  Top Layer w10: JP12.12 R26.2
PWM12: JP12.13 R21.2 | length 110
  Top Layer w10: JP12.13 R21.2
PWM13: JP12.14 R19.2 | length 110
  Top Layer w10: JP12.14 R19.2
PWM14: JP12.15 R17.2 | length 110
  Top Layer w10: JP12.15 R17.2
PWM15: JP12.16 R15.2 | length 110
  Top Layer w10: JP12.16 R15.2
SWCLK: JP8.2 U1.37 | length 479.8
  Top Layer w10: U1.37 2641.73,3101.73 2670,3130 2750,3130 2760,3120 2760,2905 2735,2880 JP8.2
SWDIO: JP8.3 U1.34 | length 281.3
  Top Layer w10: U1.34 2478.9,2996.1 2490,2985 2700,2985 JP8.3
USART1_RXD: IC2.1 LED3.2 U1.31 | length 1328.4
  Top Layer w10: v1(2195,2820) 2245,2770 2310,2770 2419.84,2879.84 U1.31
  Bottom Layer w10: IC2.1 1810,2300 1855,2345 1855,2525 2150,2820 v1(2195,2820)
USART1_TXD: IC3.4 LED4.2 U1.30 | length 1076.1
  Top Layer w10: v1(2280,2820) 2400.16,2940.16 U1.30
  Bottom Layer w10: IC3.4 1850,2550 2170,2870 2250,2870 2280,2840 v1(2280,2820)
WOK_LED: LED1.2 U1.18 | length 740.3
  Top Layer w10: U1.18 2289.84,3219.84 v1@2320,3250 ; LED1.2 2885,3280 v1(2890,3280)
  Bottom Layer w10: v1(2325,3250) 2370,3295 2875,3295 v1(2890,3280)
pads on no net: IC1.25 IC2.4 IC3.1 M1.3 M1.4 M1.6 U1.1 U1.2 U1.3 U1.4 U1.25 U1.26 U1.27 U1.28 U1.29 U1.32 U1.33 U1.38 U1.39 U1.40 U1.41 U1.45 U1.46

## Polygon pours and split planes (outlines as drawn)
GND on Bottom Layer "Top Layer-No Net" (solid, pour order 6): 1100,4100 1075,4100 1025,4050 1025,4015 1025,3995 1025,3830 1025,1625 1075,1575 1115,1575 3500,1575 3525,1600 3525,1675 3575,1725 3675,1725 4425,1725 4475,1675 4475,1575 4500,1575 4850,1575 4875,1600 4875,1680 4875,4050 4825,4100
GND on Top Layer "Top Layer-No Net" (solid, pour order 8): 1075,4100 1025,4050 1025,1625 1075,1575 3500,1575 3525,1600 3525,1675 3560,1710 3565,1715 4430,1715 4435,1715 4475,1675 4475,1575 4850,1575 4875,1600 4875,4050 4825,4100

## Keep-outs
Keep-Out Layer:
  lines w6: 1000,1555 4900,1555 4910,1555 4910,4125 1000,4125 1000,1555

## Other copper
Top Layer:
  rectangle net MAIN_12V: 3550,2275 4405,2970
Bottom Layer:
  rectangle net MAIN_12V: 3500,2400 4035,2750
  rectangle net MAIN_12V: 3200,2400 3500,3325
  rectangle net MAIN_12V: 1450,3325 3500,3625
  rectangle net MAIN_12V: 1025,2925 1325,3500
  rectangle net AFTER_D2: 4050,1730 4440,1900
  rectangle net AFTER_D3: 3550,1730 3940,1900
  rectangle net AFTER_D4: 4050,3325 4440,3500
  rectangle net AFTER_D1: 3550,3325 3940,3500
  region net MAIN_12V: 1325,3500 1450,3625 1450,3325 1325,3200

## Silkscreen, mask and mechanical layers (free items; w line width, h text height)
Top Overlay:
  lines w6: 2865,2460 2865,2660 2870,2665 3150,2665 3150,2460 2875,2460 2865,2460 ; 3125,3075 3125,3140 3135,3150 3465,3150 3465,2360 3385,2360 3385,3070 3130,3070 3125,3075
  text "B5 B5 M3 M3" at 2690,3710 h80
  text "M12V" at 2060,3700 h100 r90
  text "- - -12v+ + +" at 1355,3680 h100 r270
  text "G  G  G  G" at 2735,3645 h80
  text "Sub Control Board Ver 1.0" at 2695,3580 h80
  text "Designed By SCW 2018/8/22" at 2620,3525 h80
  text "WORK" at 3215,3290 h100
  text "DATA" at 3225,3210 h100
  text "+ - + -" at 3145,3080 h120
  text "1DA 1CL" at 2885,2605 h80
  text "PDA PCL" at 2890,2540 h80
  text "2DA 2CL" at 2885,2475 h80
  text "- + - + - + - + - + - +" at 3460,2385 h120 r90
  text "30A MAX PER CHANNEL" at 3350,2335 h80 r90
  text "ESC POWER OUTPUT" at 3270,2300 h100 r90
  text "Z Y B A" at 1370,2250 h100 r270
  text "B5V" at 1575,2025 h100
  text "- +" at 1370,1965 h100 r270
Top Solder:
  rectangle: 3550,2275 4405,2970
  lines w120: 3705,3860 3705,3645 3745,3605 3745,3515 ; 4190,3420 4480,3710 4480,3880 4570,3970 4690,3970
Bottom Solder:
  rectangle: 4050,3325 4440,3500
  rectangle: 3550,3325 3940,3500
  rectangle: 3550,1730 3940,1900
  rectangle: 4050,1730 4440,1900
  region: 1025,3500 1025,2925 1325,2925 1325,3200 1450,3325 3200,3325 3200,2400 4035,2400 4035,2750 3500,2750 3500,3625 1450,3625 1325,3500
  lines w120: 3745,3420 3745,3560 3800,3615 3970,3615 4105,3750 4105,3860 ; 3750,1815 3750,2160 3895,2305 4190,2305 4190,2600 4340,2750 4690,2750 ; 4190,2590 4220,2620 ; 4225,1805 4350,1930 4760,1930 4835,2005 4835,2250 4755,2330 4690,2330 ; 4250,3380 4250,3505 4315,3570 4690,3570 ; 4685,2750 4770,2750 4840,2820 4840,3080 4770,3150 4690,3150

## Text inside footprints (layer, text, board x,y; h text height)
JP3: Top Overlay "6" at 2920,2720 h40 r270; Top Overlay "5" at 2820,2720 h40 r270; Top Overlay "2" at 2920,3080 h40 r270; Top Overlay "1" at 2820,3070 h40 r270
JP6: Top Overlay "8" at 3080,3990 h40; Top Overlay "1" at 2630,3890 h40; Top Overlay "2" at 2620,3990 h40; Top Overlay "7" at 3080,3890 h40